# KiCad board video-v10.kicad_pcb (continued)
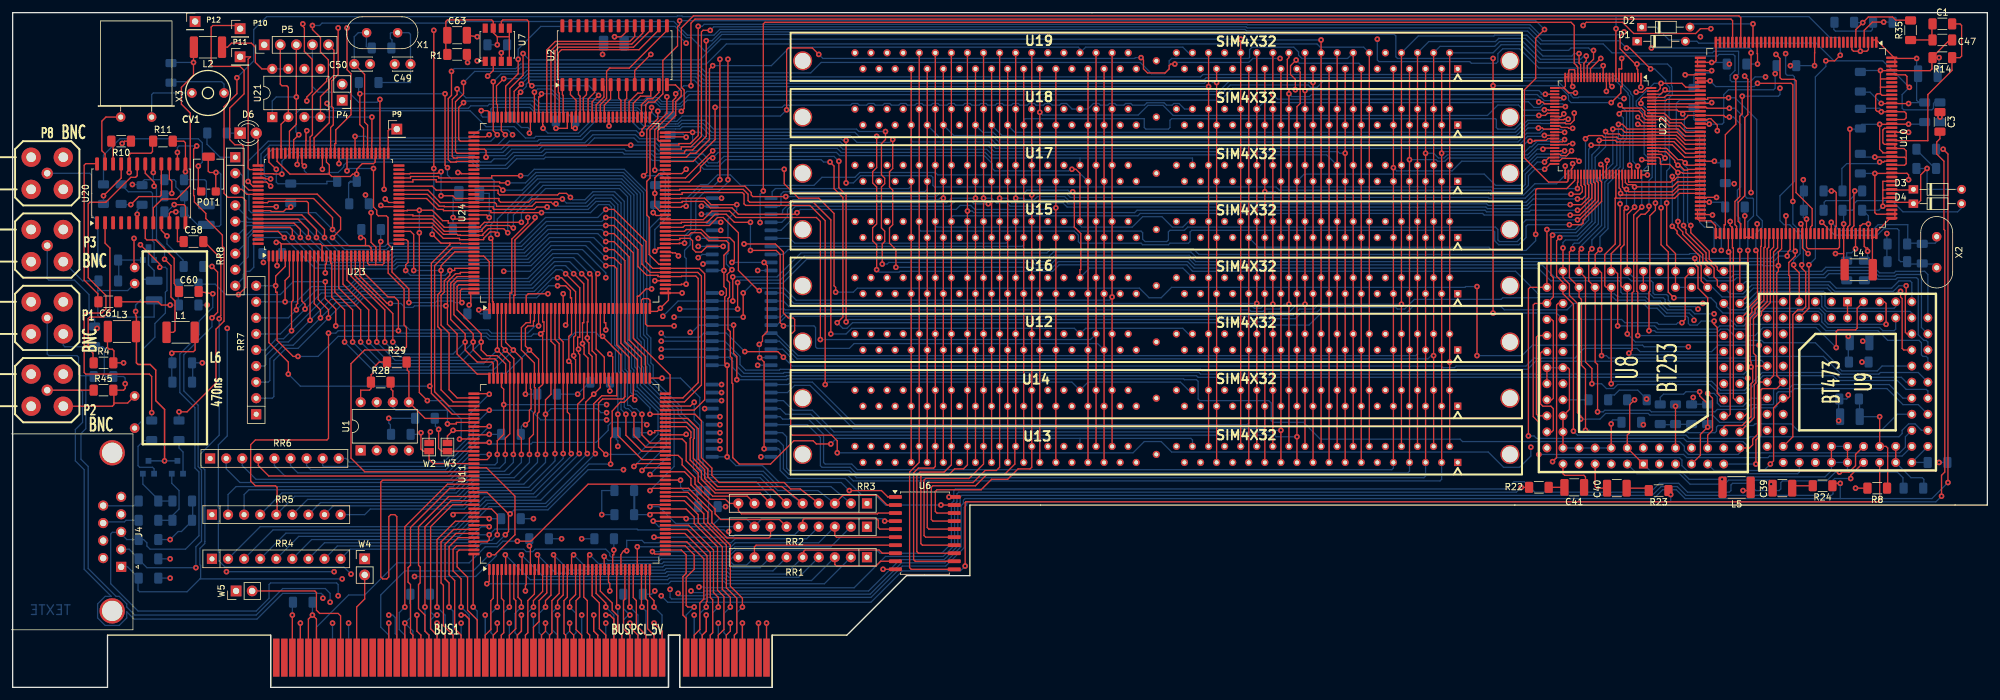
[diagram p0: board, top side]
## Routing (per net, layer and track width the routed paths; a pad name or vN(x,y) marks a point on that pad's centre or on a via; arc(x,y) is an arc through that point) (continued)
  top_copper w0.2: 100.08,2.03 BUS1.B47 100.08,8.25 98.55,9.78 98.55,13.72 98.07,14.2 98.07,18.16
/buspci.sch/P_AD13: length 16.8
  top_copper w0.2: v1(97.54,12.7) 97.41,12.7 97.41,18.16
  Bottom w0.2: v1(97.54,12.7) 98.81,11.43 BUS1.A46 98.81,2.03
/buspci.sch/P_AD14: length 16.6
  top_copper w0.2: 96.75,18.16 96.75,13.94 96.52,13.72 96.52,9.27 97.54,8.25 BUS1.B45 97.54,2.03
/buspci.sch/P_AD15: length 16.6
  top_copper w0.2: v1(95.63,12.7) 95.45,12.7 95.45,18.16
  Bottom w0.2: 96.27,2.03 BUS1.A44 96.27,8.25 95.63,8.89 v1(95.63,12.7)
/buspci.sch/P_AD16: length 17.3
  top_copper w0.2: 83.74,18.16 83.74,15.16 82.3,13.72 v1(82.3,12.7)
  Bottom w0.2: v1(82.3,12.7) 81.41,11.81 81.41,8.64 81.03,8.25 BUS1.A32 81.03,2.03
/buspci.sch/P_AD17: length 16.7
  top_copper w0.2: 81.03,2.03 BUS1.B32 81.03,8.25 81.41,8.64 81.41,13.72 82.45,14.76 82.45,18.16
/buspci.sch/P_AD18: length 16.9
  top_copper w0.2: v1(80.39,12.7) 80.39,13.72 79.86,14.25 79.86,18.16
  Bottom w0.2: v1(80.39,12.7) 79.38,11.68 79.38,8.64 79.76,8.25 BUS1.A31 79.76,2.03
/buspci.sch/P_AD19: length 16.7
  top_copper w0.2: 79.2,18.16 79.2,14.02 79.5,13.72 79.5,9.27 78.49,8.25 BUS1.B30 78.49,2.03
/buspci.sch/P_AD20: length 16.7
  top_copper w0.2: 78.56,18.16 78.56,12.7 v1(78.49,12.7)
  Bottom w0.2: v1(78.49,12.7) 77.6,11.81 77.6,8.64 77.22,8.25 BUS1.A29 77.22,2.03
/buspci.sch/P_AD21: length 16.4
  top_copper w0.2: 77.22,2.03 BUS1.B29 77.22,8.25 77.6,8.64 77.6,13.72 77.24,14.07 77.24,18.16
/buspci.sch/P_AD22: length 16.7
  top_copper w0.2: 76.61,18.16 76.61,12.7 v1(76.58,12.7)
  Bottom w0.2: 75.95,2.03 BUS1.A28 75.95,8.25 75.56,8.64 75.56,11.68 v1(76.58,12.7)
/buspci.sch/P_AD23: length 16.7
  top_copper w0.2: 74.68,2.03 BUS1.B27 74.68,8.25 75.56,9.14 75.56,13.72 75.95,14.1 75.95,18.16
/buspci.sch/P_AD24: length 23.9
  top_copper w0.2: 72.39,22.38 70.13,22.38 69.6,21.84 69.6,18.41 70.87,17.14 v1(70.87,12.7)
  Bottom w0.2: 72.14,2.03 BUS1.A25 72.14,11.43 v1(70.87,12.7)
/buspci.sch/P_AD25: length 25
  top_copper w0.2: 72.39,23.67 70.41,23.67 68.96,22.22 68.96,17.78 69.85,16.89 69.85,9.27 70.87,8.25 BUS1.B24 70.87,2.03
/buspci.sch/P_AD26: length 25.9
  top_copper w0.2: 72.39,24.33 70.05,24.33 68.33,22.61 68.33,17.14 68.96,16.51 v1(68.96,12.7)
  Bottom w0.2: 69.6,2.03 BUS1.A23 69.6,12.06 v1(68.96,12.7)
/buspci.sch/P_AD27: length 27.3
  top_copper w0.2: 69.6,2.03 BUS1.B23 69.6,8.25 68.07,9.78 68.07,16.13 67.69,16.51 67.69,22.99 69.67,24.97 72.39,24.97
/buspci.sch/P_AD28: length 28.4
  top_copper w0.2: v1(67.06,12.7) 67.06,23.37 69.95,26.26 72.39,26.26
  Bottom w0.2: v1(67.06,12.7) 68.33,11.43 BUS1.A22 68.33,2.03
/buspci.sch/P_AD29: length 31.6
  top_copper w0.2: 67.06,2.03 BUS1.B21 67.06,8.25 66.04,9.27 66.04,25.4 69.52,28.88 72.39,28.88
/buspci.sch/P_AD30: length 32.6
  top_copper w0.2: v1(65.15,12.7) 65.15,25.4 69.27,29.51 72.39,29.51
  Bottom w0.2: 65.79,2.03 BUS1.A20 65.79,8.25 65.15,8.89 v1(65.15,12.7)
/buspci.sch/P_AD31: length 34.5
  top_copper w0.2: 72.39,30.18 68.91,30.18 64.13,25.4 64.13,19.3 64.39,19.05 64.39,16.51 64.13,16.26 64.13,12.45 65.15,11.43 65.15,8.89 65.79,8.25 BUS1.B20 65.79,2.03
/buspci.sch/P_C/BE0#: length 25.8
  top_copper w0.2: v1(107.7,12.7) 106.68,12.7 106.43,12.95 106.43,17.4 107.7,18.67 107.7,20.95 106.27,22.38 103.58,22.38
  Bottom w0.2: 106.43,2.03 BUS1.A52 106.43,11.43 v1(107.7,12.7)
/buspci.sch/P_C/BE1#: length 17.5
  top_copper w0.2: 92.86,18.16 92.86,15.21 94.74,13.33 94.74,12.19 95.63,11.3 95.63,8.89 96.27,8.25 BUS1.B44 96.27,2.03
/buspci.sch/P_C/BE2#: length 17
  top_copper w0.2: 82.3,2.03 BUS1.B33 82.3,9.53 83.19,10.41 83.19,13.72 84.4,14.94 84.4,18.16
/buspci.sch/P_C/BE3#: length 23
  top_copper w0.2: 72.39,21.72 70.55,21.72 70.23,21.4 70.23,19.05 71.88,17.4 71.88,12.19 73.41,10.67 BUS1.B26 73.41,2.03
/buspci.sch/P_CLK: length 66.9
  top_copper w0.2: 60.71,2.03 BUS1.B16 60.71,26.99 60.39,27.31 59.75,27.31 59.44,26.99 59.44,17.46 59.12,17.14 58.48,17.14 58.17,17.46 58.17,32.45 58.48,32.77 72.39,32.77
/buspci.sch/P_DEVSEL#: length 16.5
  top_copper w0.2: 87.38,2.03 BUS1.B37 87.38,8.25 87.12,8.51 87.12,13.72 87.66,14.25 87.66,18.16
/buspci.sch/P_FRAME#: length 17.1
  top_copper w0.2: 85.06,18.16 85.06,14.58 84.2,13.72 v1(84.2,12.7)
  Bottom w0.2: v1(84.2,12.7) 83.19,11.68 83.19,8.64 83.57,8.25 BUS1.A34 83.57,2.03
/buspci.sch/P_GNT#: length 37.3
  top_copper w0.2: 72.39,32.13 68.71,32.13 61.98,25.4 v1(61.98,12.7)
  Bottom w0.2: v1(61.98,12.7) 61.09,11.81 61.09,9.14 61.98,8.25 BUS1.A17 61.98,2.03
/buspci.sch/P_IDSEL: length 19.3
  top_copper w0.2: v1(72.77,12.7) 72.77,21.08
  Bottom w0.2: 73.41,2.03 BUS1.A26 73.41,12.06 v1(72.77,12.7)
/buspci.sch/P_INTA#: length 72.4
  top_copper w0.2: v1(79.76,23.11) 81.91,23.11 90.93,32.13 103.58,32.13
  Bottom w0.2: 48.01,2.03 BUS1.A6 48.01,9.53 53.09,14.6 55.63,14.6 60.71,19.69 72.14,19.69 74.68,22.22 76.58,22.22 77.47,23.11 v1(79.76,23.11)
/buspci.sch/P_IRDY#: length 16.8
  top_copper w0.2: 84.84,2.03 BUS1.B35 84.84,8.25 85.22,8.64 85.22,13.72 86.36,14.86 86.36,18.16
/buspci.sch/P_LOCK#: length 16.7
  top_copper w0.2: 89.92,2.03 BUS1.B39 89.92,8.25 89.03,9.14 89.03,13.72 89.61,14.3 89.61,18.16
/buspci.sch/P_PAR: length 17.3
  top_copper w0.2: v1(93.73,12.7) 93.73,13.33 92.2,14.86 92.2,18.16
  Bottom w0.2: v1(93.73,12.7) 95,11.43 BUS1.A43 95,2.03
/buspci.sch/P_PERR#: length 16.5
  top_copper w0.2: 91.19,2.03 BUS1.B40 91.19,8.25 90.81,8.64 90.81,13.72 90.25,14.27 90.25,18.16
/buspci.sch/P_REQ#: length 35.8
  top_copper w0.2: 72.39,31.47 69.06,31.47 62.87,25.27 62.87,19.3 62.48,18.92 62.48,16.64 62.87,16.26 62.87,8.64 63.25,8.25 BUS1.B18 63.25,2.03
/buspci.sch/P_RST#: length 53.2
  top_copper w0.2: 72.39,34.72 74.88,34.72 79.38,30.23 79.38,24.13 76.2,20.95 v1(75.31,20.95)
  Bottom w0.2: 59.44,2.03 BUS1.A15 59.44,8.25 58.17,9.53 58.17,14.6 61.98,18.41 72.77,18.41 v1(75.31,20.95)
/buspci.sch/P_SERR#: length 17
  top_copper w0.2: 91.57,18.16 91.57,14.48 92.71,13.33 92.71,9.27 93.73,8.25 BUS1.B42 93.73,2.03
/buspci.sch/P_STOP#: length 17.1
  top_copper w0.2: 88.95,18.16 88.95,14.66 88.01,13.72 v1(88.01,12.7)
  Bottom w0.2: v1(88.01,12.7) 89.03,11.68 89.03,8.64 88.65,8.25 BUS1.A38 88.65,2.03
/buspci.sch/P_TRDY#: length 17.2
  top_copper w0.2: v1(86.11,12.7) 86.11,13.72 87,14.6 87,18.16
  Bottom w0.2: 86.11,2.03 BUS1.A36 86.11,8.25 85.22,9.14 85.22,11.81 v1(86.11,12.7)
/C_OUT: length 5.7
  Bottom w0.2: 14.35,25.91 14.6,26.16 17.65,26.16 17.91,26.42 19.81,26.42
/CAS0-: length 142.5
  top_copper w0.2: U13.40 U14.40 U12.40 v1(173.74,61.72) U16.40 U15.40 U18.40 U19.40 ; v1(117.98,62.74) 117.86,62.74 114.68,65.91 114.68,71.88 112.27,74.29 111.38,74.29 110.11,73.02 106.2,73.02 105.92,72.75 103.58,72.75
  Bottom w0.2: v1(117.98,62.74) 118.36,63.12 121.92,63.12 123.83,61.21 173.36,61.21 173.74,61.59 v1(173.74,61.72)
/CAS1-: length 152
  top_copper w0.2: 103.58,73.41 105.66,73.41 105.66,73.53 109.73,73.53 111,74.8 112.78,74.8 114.05,73.53 v1(116.59,73.53) ; v1(121.79,57.15) 121.28,57.66 121.28,68.45 120.65,69.09 v1(116.59,69.09) ; U19.41 U18.41 U17.41 U15.41 U16.41 U14.41 172.47,35.56
  Bottom w0.2: v1(121.79,57.15) 126.62,57.15 126.87,56.9 126.87,53.85 127.13,53.59 132.21,53.59 132.97,54.36 171.45,54.36 172.47,53.34 ; v1(116.59,69.09) v1(116.59,73.53)
/CAS2-: length 150.5
  top_copper w0.2: U13.42 U14.42 U12.42 U16.42 U15.42 U18.42 U19.42 ; 103.23,73.95 109.13,73.95 110.49,75.31 113.28,75.31 114.3,74.29 127,74.29 127.64,73.66 v1(127.64,54.99)
  Bottom w0.2: U12.42 170.31,54.99 v1(127.64,54.99)
/CAS3-: length 133.8
  top_copper w0.2: U19.43 U18.43 U17.43 U15.43 U16.43 U14.43 169.93,35.56 ; 103.23,75.9 105.63,75.9 105.8,76.07 v1(106.43,76.07)
  Bottom w0.2: U17.43 168.91,81.03 146.18,81.03 145.8,81.41 133.86,81.41 133.1,80.64 127.89,80.64 126.62,79.38 115.06,79.38 113.41,81.03 111.38,81.03 109.86,79.5 108.71,79.5 106.43,77.22 v1(106.43,76.07)
/CLAMP: length 255.8
  top_copper w0.2: v1(233.93,59.18) v1(233.93,95.12) v1(233.93,99.44) ; v1(263.78,57.66) 264.29,58.17 264.29,64.77 U8.37 ; 254.33,96.52 254.33,95 254.13,95 254.13,93.98 v1(252.6,92.46) ; v1(109.6,102.23) 109.6,87.12 107.44,84.96 106.43,84.96 106.17,84.71 106.17,84.45 103.58,84.45
  Bottom w0.2: v1(109.6,102.23) 110.5,102.23 111.9,103.63 194.58,103.63 194.96,103.25 218.31,103.25 218.57,103 218.57,99.69 218.82,99.44 v1(233.93,99.44) ; v1(263.78,57.66) 263.14,57.66 262.89,57.4 260.1,57.4 259.84,57.66 254.76,57.66 254.25,58.17 U8.59 243.97,59.18 v1(233.93,59.18) ; v1(252.6,92.46) 246.25,92.46 245.85,92.85 245.85,93.58 244.31,95.12 v1(233.93,95.12)
/CLKCAD: length 222.8
  top_copper w0.2: v1(254.63,103.63) 254,103 254,100.97 256.41,98.55 v1(256.67,98.55) 256.67,97.79 256.79,97.66 256.79,96.52 256.82,96.52 ; 103.58,85.75 105.28,85.75 105.28,85.98 107.06,85.98 108.33,87.25 v1(108.33,104.52) ; U8.40 U8.39 262.76,68.58 261.37,69.98 v1(261.37,76.58)
  Bottom w0.2: v1(108.33,104.52) 108.96,104.52 109.27,104.83 195.08,104.83 195.13,104.77 239.78,104.77 241.36,103.19 254.19,103.19 v1(254.63,103.63) ; U8.40 U8.38 ; v1(261.37,76.58) 261.37,81.66 261.86,82.15 261.86,84.05 261.75,84.16 261.75,93.22 262.26,93.73 262.26,95.01 262.13,95.14 262.13,97.92 261.49,98.55 v1(256.67,98.55)
/CLKCDA: length 236.7
  top_copper w0.2: v1(255.02,101.09) 255.52,101.09 v1(258.83,97.79) ; v1(261.11,83.69) 260.53,84.28 259.08,84.28 ; v1(262.51,61.59) 261.62,62.48 261.62,68.83 260.48,69.98 v1(260.48,75.82) ; v1(110.24,103.89) 109.09,103.89 108.84,103.63 108.84,87.12 107.19,85.47 105.66,85.47 105.66,85.12 103.58,85.12
  Bottom w0.2: v1(110.24,103.89) 110.78,104.43 194.91,104.43 195.08,104.27 239.65,104.27 241.68,102.23 253.87,102.23 v1(255.02,101.09) ; v1(260.48,75.82) 260.48,83.06 v1(261.11,83.69) 261.11,93.34 261.86,94.09 261.86,94.85 261.22,95.48 261.22,96.02 259.45,97.79 v1(258.83,97.79) ; v1(262.51,61.59) 268.35,61.59 269.24,60.71 269.24,60.2 270.26,59.18 273.81,59.18 275.59,60.96 U9.9
/CSYNC-OUT: length 421.7
  top_copper w0.2: v1(288.8,99.95) 287.91,99.06 v1(286.51,99.06) ; v1(283.85,66.8) 283.85,59.94 U9.8 ; v1(35.69,62.1) 36.83,63.25 36.83,76.96 36.32,77.47 34.04,77.47 33.4,78.1 33.4,91.82 35.43,93.85 v1(35.43,96.39) ; v1(253.37,104.14) 253.34,104.14 253.34,96.52 ; v1(51.05,57.15) 51.05,59.82 49.4,61.47 v1(49.4,64.13) ; 83.11,59.44 v1(83.11,57.15)
  Bottom w0.2: v1(253.37,104.14) 253.37,106.04 ; 253.37,106.04 283.85,106.04 287.15,102.74 288.54,102.74 288.8,102.49 v1(288.8,99.95) ; 253.37,106.04 105.86,106.04 105.75,106.15 105.04,106.15 104.94,106.04 40.13,106.04 38.1,104.01 38.1,99.06 v1(35.43,96.39) ; v1(83.11,57.15) 82.55,57.15 81.41,56.01 75.69,56.01 75.18,56.51 62.74,56.51 62.1,57.15 v1(51.05,57.15) ; v1(283.85,66.8) 284.86,67.82 284.86,96.52 286.51,98.17 v1(286.51,99.06) ; 29.46,63.75 32,63.75 33.65,62.1 v1(35.69,62.1) 42.29,62.1 44.32,64.13 v1(49.4,64.13)
/CSYNCIN-: length 201.3
  top_copper w0.2: v1(112.27,69.72) 109.73,69.72 108.84,68.83 107.95,68.83 107.44,69.34 107.44,70.61 107.06,70.99 105.41,70.99 105.41,70.79 103.58,70.79 ; v1(115.57,70.1) 120.52,70.1 121.79,68.83 121.79,59.18 122.56,58.42 123.32,58.42 123.57,58.17 123.57,56.39 122.94,55.75 122.94,40.13 123.19,39.88 129.41,39.88 130.3,38.99 v1(130.3,37.08)
  In2.Cu w0.2: v1(112.27,69.72) 112.65,70.1 v1(115.57,70.1) ; v1(239.9,37.97) 240.41,37.97 241.3,38.86 264.29,38.86 U8.8
  Bottom w0.2: v1(239.9,37.97) 239.9,36.58 238.12,34.8 235.58,34.8 233.17,37.21 183.13,37.21 181.48,38.86 178.82,38.86 177.04,37.08 v1(130.3,37.08)
/DQ0: length 312.2
  top_copper w0.2: v1(49.91,58.42) 49.91,59.69 48.29,61.32 48.29,68.33 ; 88.32,49.35 88.32,51.18 v1(87.88,51.56) 87.88,55.5 88.32,55.88 88.32,61.59 88.14,61.59 88.14,62.74 87.38,63.5 v1(86.11,63.5) ; 276.33,71.17 276.33,69.72 276.23,69.72 276.23,61.34 274.83,59.94 274.83,59.31 273.94,58.42 273.94,50.16 274.19,49.91 v1(274.19,48.89) 274.19,43.43 273.69,42.93 U8.16
  In2.Cu w0.2: U9.14 277.24,52.96 274.32,52.96 273.94,52.58 273.94,50.16 274.19,49.91 v1(274.19,48.89) ; v1(102.49,52.2) 101.47,51.18 89.28,51.18 88.9,51.56 v1(87.88,51.56)
  Bottom w0.2: v1(274.19,48.89) 273.56,48.89 273.43,49.02 187.33,49.02 187.07,49.28 122.3,49.28 122.17,49.15 115.19,49.15 113.79,50.55 113.79,51.56 113.16,52.2 v1(102.49,52.2) ; v1(86.11,63.5) 84.71,63.5 82.8,61.59 55.37,61.59 54.1,60.32 51.82,60.32 v1(49.91,58.42) 45.09,53.59 43.18,53.59 41.27,51.69 41.27,45.97 41.02,45.72 RR7.2
/DQ1: length 316.5
  top_copper w0.2: U8.15 270.38,41.15 270.64,41.4 273.3,41.4 274.7,42.8 274.7,48.01 274.95,48.26 274.95,50.67 v1(274.7,50.67) 274.7,51.43 274.57,51.56 274.57,58.42 275.34,59.18 275.34,59.82 276.73,61.21 276.73,69.47 276.86,69.6 276.91,69.6 276.91,71.12 276.96,71.17 ; 88.95,49.35 88.95,51.82 88.65,52.07 v1(88.65,52.45) 88.65,55.37 88.95,55.63 88.95,62.56 86.74,64.77 v1(86.11,64.77) ; 47.65,68.33 47.65,60.68 48.64,59.69 v1(48.64,58.42)
  In2.Cu w0.2: v1(102.49,53.47) 101.85,53.47 100.08,51.69 89.92,51.69 89.15,52.45 v1(88.65,52.45) ; v1(274.7,50.67) 275.97,50.67 276.23,50.93 276.23,51.31 276.73,51.82 279.02,51.82 279.78,52.58 U9.15
  Bottom w0.2: v1(102.49,53.47) 113.03,53.47 114.43,52.07 114.43,50.8 115.57,49.66 121.79,49.66 121.92,49.78 187.45,49.78 187.71,49.53 273.56,49.53 v1(274.7,50.67) ; RR7.3 40.39,48.26 40.64,48.51 40.64,51.94 42.8,54.1 44.32,54.1 v1(48.64,58.42) 51.05,60.83 53.98,60.83 55.24,62.1 82.68,62.1 85.34,64.77 v1(86.11,64.77)
/DQ2: length 311.1
  top_copper w0.2: 89.61,49.35 89.61,52.58 89.41,52.83 v1(89.41,53.47) 89.28,53.59 89.28,55.37 89.61,55.37 89.61,63.17 v1(87.38,65.4) ; U8.14 275.21,42.67 275.21,47.88 275.46,48.13 275.46,50.8 ; 277.62,71.17 277.5,71.12 277.5,69.6 277.24,69.34 277.24,60.96 275.84,59.56 275.84,59.05 275.08,58.29 275.08,52.83 275.46,52.45 275.46,50.8 ; 46.99,68.33 v1(46.99,58.04) ; U9.16 275.46,50.8
  In2.Cu w0.2: v1(89.41,53.47) 100.08,53.47 101.35,54.74 v1(102.49,54.74)
  Bottom w0.2: RR7.4 39.75,50.8 40.01,51.05 40.01,52.45 42.16,54.61 43.56,54.61 v1(46.99,58.04) 50.29,61.34 53.85,61.34 55.12,62.61 82.42,62.61 85.85,66.04 86.74,66.04 v1(87.38,65.4) ; U9.16 276.35,51.69 274.19,51.69 274.07,51.56 240.67,51.56 239.39,50.29 228.35,50.29 228.09,50.04 187.96,50.04 187.71,50.29 121.28,50.29 121.16,50.16 115.82,50.16 114.94,51.05 114.94,52.32 112.52,54.74 v1(102.49,54.74)
/DQ3: length 331.3
  top_copper w0.2: 278.26,71.17 278.26,69.6 277.75,69.09 277.75,60.83 276.35,59.44 276.35,58.93 275.97,58.55 v1(275.97,54.1) ; 44.4,68.33 44.32,68.33 44.32,61.21 44.07,60.96 v1(44.07,56.39) ; 90.91,49.35 90.91,52.07 90.3,52.68 90.3,53.8 90.04,54.05 v1(90.04,54.36) 90.04,57.66 90.25,57.66 90.25,63.8 v1(88.65,65.4) ; v1(121.79,52.2) 120.9,53.09 v1(115.7,53.09)
  In2.Cu w0.2: v1(102.49,56.01) 101.09,56.01 99.19,54.1 90.3,54.1 v1(90.04,54.36) ; v1(275.97,54.1) 276.48,54.1 276.73,54.36 280.67,54.36 280.92,54.1 280.92,51.05 280.67,50.8 U9.17 278.76,49.78 278.76,45.21 279.27,44.7 280.54,44.7 280.8,44.45 280.8,37.08 280.54,36.83 271.4,36.83 U8.13
  Bottom w0.2: v1(275.97,54.1) 269.49,54.1 268.48,53.09 257.18,53.09 256.67,53.59 248.29,53.59 247.9,53.21 246.89,52.07 240.41,52.07 239.14,50.8 228.09,50.8 227.84,50.55 226.06,50.55 225.81,50.8 123.19,50.8 v1(121.79,52.2) ; v1(88.65,65.4) 87.38,66.67 85.72,66.67 82.17,63.12 54.86,63.12 53.59,61.85 49.53,61.85 v1(44.07,56.39) 42.8,55.12 41.66,55.12 40.01,53.34 RR7.5 ; v1(102.49,56.01) 103.12,55.37 108.59,55.37 109.22,56.01 112.78,56.01 v1(115.7,53.09)
/DQ4: length 321.8
  top_copper w0.2: v1(113.92,57.28) 113.92,52.83 114.43,52.32 v1(114.43,48.64) ; 278.92,71.17 278.89,70.61 278.89,69.47 278.26,68.83 278.26,49.28 U9.18 276.23,48.26 275.72,47.75 275.72,40 274.95,39.24 274.95,38.35 274.45,37.85 U8.12 ; 45.69,68.33 45.69,61.09 46.2,60.58 v1(46.2,59.82) ; v1(89.92,65.4) 90.91,64.41 90.91,57.78 90.81,57.78 v1(90.81,55.24) 90.81,54.74 91.06,54.48 91.06,52.83 91.57,52.32 91.57,49.35
  In2.Cu w0.2: v1(90.81,55.24) 91.44,55.24 92.08,54.61 98.55,54.61 100.84,56.9 103.25,56.9 104.01,56.13 v1(107.06,56.13)
  Bottom w0.2: v1(113.92,57.28) 108.46,57.28 107.31,56.13 v1(107.06,56.13) ; v1(114.43,48.64) 122.3,48.64 122.43,48.77 185.04,48.77 185.17,48.64 187.07,48.64 187.33,48.39 187.33,45.59 187.58,45.34 198.5,45.34 198.88,44.96 198.88,42.16 199.14,41.91 203.96,41.91 206.63,39.24 228.73,39.24 229.11,38.86 263.4,38.86 264.16,38.1 264.16,37.46 264.8,36.83 272.67,36.83 272.92,37.08 U8.12 ; 46.23,59.82 48.77,62.36 53.47,62.36 54.74,63.63 81.91,63.63 85.6,67.31 88.01,67.31 v1(89.92,65.4) ; 46.23,59.82 42.29,55.88 RR7.6 ; 46.23,59.82 v1(46.2,59.82)
/DQ5: length 328.2
  top_copper w0.2: v1(91.19,65.4) 91.57,65.02 91.57,53.21 92.2,52.58 92.2,49.35 ; 279.58,71.17 279.53,71.12 279.53,69.34 279.02,68.83 v1(279.02,66.67) 279.02,65.79 278.76,65.53 278.76,49.28 U9.19 278.76,47.24 276.48,47.24 276.23,46.99 276.23,39.88 275.46,39.12 v1(275.46,35.31) ; v1(44.83,59.69) 44.83,60.5 45.03,60.71 45.03,68.33 ; v1(115.44,58.55) v1(115.44,62.36)
  In2.Cu w0.2: v1(91.19,65.4) 91.19,61.98 91.82,61.34 102.62,61.34 104.52,59.44 v1(104.52,58.55)
  Bottom w0.2: v1(104.52,58.55) v1(115.44,58.55) ; RR7.7 43.56,58.42 v1(44.83,59.69) 48.01,62.86 53.21,62.86 54.48,64.13 81.66,64.13 85.47,67.94 88.65,67.94 v1(91.19,65.4) ; v1(279.02,66.67) 276.61,66.67 276.48,66.8 258.57,66.8 258.06,67.31 186.94,67.31 185.93,68.33 164.72,68.33 163.7,67.31 161.93,67.31 161.54,67.69 125.48,67.69 121.67,63.88 116.97,63.88 v1(115.44,62.36) ; U8.11 v1(275.46,35.31)
/DQ6: length 328
  top_copper w0.2: 280.87,71.17 280.87,69.21 280.54,68.88 280.54,68.33 v1(280.42,68.2) ; v1(92.46,65.4) 92.2,65.4 92.2,53.49 93.5,52.2 93.5,49.35 ; v1(43.05,60.96) 43.05,64.34 43.74,65.02 43.74,68.33 ; v1(114.55,59.82) v1(114.55,64.01) ; U8.10 267.84,39.88 268.61,40.64 268.61,45.72 v1(267.84,46.48) 267.84,61.59 266.32,63.12 266.32,66.42 265.81,66.93 v1(265.81,67.82)
  In2.Cu w0.2: v1(105.41,59.82) 103,62.23 92.84,62.23 92.46,62.61 v1(92.46,65.4)
  Bottom w0.2: RR7.8 44.83,60.96 47.24,63.37 53.09,63.37 54.36,64.64 81.41,64.64 85.34,68.58 89.28,68.58 v1(92.46,65.4) ; v1(114.55,59.82) v1(105.41,59.82) ; v1(280.42,68.2) 279.15,68.2 278.26,67.31 266.32,67.31 v1(265.81,67.82) 187.2,67.82 186.18,68.83 164.47,68.83 163.83,68.2 125.09,68.2 121.28,64.39 114.94,64.39 v1(114.55,64.01) ; v1(267.84,46.48) 268.86,46.48 269.37,45.97 269.37,44.96 269.88,44.45 273.43,44.45 274.7,45.72 U9.20
/DQ7: length 332.5
  top_copper w0.2: 92.86,59.44 92.86,55.83 93.22,55.47 ; 93.22,55.47 96.11,52.58 96.11,49.35 ; 93.22,55.47 v1(93.22,55.5) ; v1(113.79,61.09) v1(113.79,64.9) ; v1(277.75,35.31) 278.26,35.81 278.26,44.2 U9.21 280.54,45.72 280.8,45.97 280.8,65.02 280.67,65.15 280.67,67.18 281.69,68.2 v1(281.69,68.96) 281.43,68.96 281.43,71.12 281.51,71.17 ; 43.08,68.33 43.08,66.55 41.55,65.02 v1(41.55,63.5) 41.55,62.48 41.78,62.48 41.78,54.86 44.32,52.32 v1(45.09,52.32)
  In2.Cu w0.2: v1(102.74,58.67) 93.34,58.67 92.96,58.29 92.96,55.5 v1(93.22,55.5)
  Bottom w0.2: RR7.9 v1(41.55,63.5) ; v1(102.74,58.67) 105.16,61.09 v1(113.79,61.09) ; v1(281.69,68.96) 279.02,68.96 277.88,67.82 267.08,67.82 266.32,68.58 265.05,68.58 264.92,68.45 187.45,68.45 186.56,69.34 164.08,69.34 163.45,68.71 124.59,68.71 120.78,64.9 v1(113.79,64.9) ; v1(45.09,52.32) 48.26,52.32 51.43,55.5 74.8,55.5 75.31,54.99 87.76,54.99 88.9,56.13 92.2,56.13 92.71,55.5 v1(93.22,55.5) ; U8.9 268.86,34.29 276.73,34.29 v1(277.75,35.31)
/DQ8: length 110.4
  top_copper w0.2: v1(42.93,71.12) 41.94,72.11 38.86,72.11 ; 97.41,49.35 97.41,52.2 95.45,54.15 95.45,66.22 95,66.67 v1(93.73,66.67)
  In2.Cu w0.2: v1(93.73,66.67) 96.52,66.67 96.77,66.93 v1(109.09,66.93)
  Bottom w0.2: v1(109.09,66.93) 109.35,67.18 110.36,67.18 ; RR8.9 36.45,64.77 36.45,65.28 36.96,65.79 37.46,65.79 38.1,66.42 38.1,70.87 38.35,71.12 v1(42.93,71.12) 47.75,66.29 50.16,66.29 50.29,66.17 60.45,66.17 60.96,66.67 81.91,66.67 85.09,69.85 90.55,69.85 v1(93.73,66.67)
/DQ9: length 113.1
  top_copper w0.2: v1(93.73,67.94) 95,67.94 96.11,66.83 96.11,54.41 98.7,51.82 98.7,49.35 ; v1(44.2,71.12) 44.2,72.39 43.84,72.75 38.86,72.75
  In2.Cu w0.2: v1(93.73,67.94) 96.27,67.94 96.77,67.44 107.82,67.44 v1(108.33,67.94)
  Bottom w0.2: 110.36,68.45 108.97,68.45 108.46,67.94 v1(108.33,67.94) ; v1(93.73,67.94) 91.19,70.48 84.96,70.48 81.66,67.18 60.71,67.18 60.2,66.67 50.42,66.67 50.29,66.8 48.51,66.8 v1(44.2,71.12) 43.31,72.01 38.1,72.01 37.21,71.12 37.21,68.07 RR8.8
/DQ10: length 114.2
  top_copper w0.2: v1(45.47,71.12) 45.47,72.39 44.45,73.41 38.86,73.41 ; v1(93.73,69.21) 95,69.21 96.75,67.46 96.75,54.69 99.36,52.07 99.36,49.35
  In2.Cu w0.2: v1(93.73,69.21) 95.89,69.21 96.39,69.72 103.38,69.72 104.14,68.96 106.3,68.96 107.06,69.72 v1(108.33,69.72)
  Bottom w0.2: RR8.7 36.7,70.1 36.7,71.25 37.97,72.52 44.07,72.52 v1(45.47,71.12) 49.28,67.31 50.42,67.31 50.55,67.18 60.07,67.18 60.58,67.69 81.41,67.69 84.84,71.12 91.82,71.12 v1(93.73,69.21) ; 110.36,69.72 v1(108.33,69.72)
/DQ11: length 114.9
  top_copper w0.2: v1(46.74,71.12) 46.74,72.39 45.09,74.04 38.86,74.04 ; v1(93.73,70.48) 95,70.48 97.41,68.07 97.41,54.91 100,52.32 100,49.35
  In2.Cu w0.2: v1(93.73,70.48) 95.76,70.48 96.27,70.99 v1(108.33,70.99)
  Bottom w0.2: v1(93.73,70.48) 92.46,71.75 84.71,71.75 81.15,68.2 60.32,68.2 59.82,67.69 50.67,67.69 50.55,67.82 50.04,67.82 v1(46.74,71.12) 44.83,73.02 37.08,73.02 RR8.6 ; 110.36,70.99 v1(108.33,70.99)
/DQ12: length 124.7
  top_copper w0.2: v1(48.01,71.12) 48.01,72.39 45.69,74.7 38.86,74.7 ; v1(93.73,71.75) 95,71.75 98.07,68.68 98.07,55.22 103.89,49.4 103.89,46.43 103.58,46.43
  In2.Cu w0.2: v1(111.89,72.26) 96.27,72.26 95.76,71.75 v1(93.73,71.75)
  Bottom w0.2: RR8.5 36.83,73.66 36.96,73.53 45.59,73.53 v1(48.01,71.12) 50.93,68.2 59.56,68.2 60.07,68.71 80.9,68.71 84.58,72.39 93.09,72.39 v1(93.73,71.75) ; v1(111.89,72.26) 110.36,72.26
/DQ13: length 139.9
  top_copper w0.2: v1(49.28,71.12) 49.28,72.39 46.74,74.93 46.74,76.58 46.48,76.83 40.46,76.83 40.26,76.63 38.99,76.63 38.86,76.66 ; v1(93.73,73.02) 95,73.02 98.81,69.21 98.81,66.55 100.2,65.15 101.98,65.15 101.98,64.95 105.66,64.95 105.74,65.02 107.95,65.02 108.33,64.64 108.33,48.18 105.92,45.77 103.58,45.77
  In2.Cu w0.2: v1(93.73,73.02) 108.33,73.02 108.84,73.53 v1(111.89,73.53)
  Bottom w0.2: RR8.4 37.34,74.04 46.35,74.04 v1(49.28,71.12) 51.69,68.71 59.31,68.71 59.82,69.21 80.65,69.21 84.46,73.02 v1(93.73,73.02) ; 110.36,73.53 v1(111.89,73.53)
/DQ14: length 129.9
  top_copper w0.2: RR8.3 36.2,78.74 36.98,77.95 38.76,77.95 ; v1(93.73,74.29) 95,74.29 99.44,69.85 99.44,66.93 100.76,65.61 108.25,65.61 108.84,65.02 108.84,47.8 106.17,45.14 103.58,45.14 ; 38.86,77.95 39.62,77.98 48.13,77.98 51.82,74.29 51.82,72.39 v1(50.55,71.12)
  In2.Cu w0.2: v1(108.84,74.8) 108.33,74.8 107.06,73.53 95.38,73.53 94.62,74.29 v1(93.73,74.29)
  Bottom w0.2: 110.36,74.8 v1(108.84,74.8) ; v1(93.73,74.29) 93.09,73.66 84.33,73.66 80.39,69.72 59.56,69.72 59.05,69.21 52.45,69.21 v1(50.55,71.12)
/DQ15: length 149.4
  top_copper w0.2: v1(93.73,75.56) 95,75.56 100.08,70.48 100.08,67.31 101.14,66.24 108.51,66.24 109.35,65.4 109.35,45.47 107.7,43.84 103.58,43.84 ; v1(50.55,72.39) 50.55,74.29 47.55,77.29 38.86,77.29
  In2.Cu w0.2: v1(93.73,75.56) 94.23,75.56 95.76,74.04 106.3,74.04 108.33,76.07 v1(108.84,76.07)
  Bottom w0.2: 110.36,76.07 v1(108.84,76.07) ; RR8.2 35.94,81.28 36.32,80.9 36.32,78.87 37.34,77.85 37.34,75.44 37.72,75.06 47.88,75.06 v1(50.55,72.39) 53.21,69.72 58.8,69.72 59.31,70.23 80.14,70.23 84.2,74.29 92.46,74.29 v1(93.73,75.56)
/DQ16: length 87.6
  top_copper w0.2: v1(75.31,24.13) 75.31,23.33 74.99,23.01 72.39,23.01
  In2.Cu w0.2: v1(113.16,24.64) 113.16,26.16 113.41,26.42 113.41,29.46 111.76,31.11 v1(111.76,37.72)
  Bottom w0.2: v1(113.16,24.64) 112.65,24.64 112.4,24.89 98.81,24.89 98.68,25.02 76.2,25.02 v1(75.31,24.13) 73.66,24.13 72.39,22.86 49.28,22.86 RR4.7 ; 110.36,37.72 v1(111.76,37.72)
/DQ17: length 78.5
  top_copper w0.2: 78.36,27.43 78.36,24.64 v1(77.85,24.13) ; 78.36,27.43 74.96,30.84 72.39,30.84 ; 78.36,27.43 v1(78.61,27.43)
  In2.Cu w0.2: v1(96.52,34.42) 96.52,35.18 99.29,37.95 108.79,37.95 109.83,38.99 v1(111.76,38.99)
  Bottom w0.2: RR4.9 53.34,21.84 73.15,21.84 74.04,22.73 76.45,22.73 v1(77.85,24.13) ; v1(78.61,27.43) 79.25,28.07 84.58,28.07 90.93,34.42 v1(96.52,34.42) ; 110.36,38.99 v1(111.76,38.99)
/DQ18: length 78.5
  top_copper w0.2: v1(75.31,38.73) 75.31,38.63 72.39,38.63
  In2.Cu w0.2: v1(100.2,41.53) 106.43,41.53 107.7,40.26 v1(111.76,40.26)
  Bottom w0.2: 110.36,40.26 v1(111.76,40.26) ; RR6.6 43.91,35.06 45.06,33.91 68.71,33.91 73.53,38.73 v1(75.31,38.73) 75.56,38.48 81.91,38.48 82.17,38.73 92.2,38.73 94.11,40.64 94.11,41.4 94.62,41.91 99.82,41.91 v1(100.2,41.53)
/DQ19: length 74
  top_copper w0.2: 72.39,43.84 75.31,43.84 v1(75.31,43.81)
  In2.Cu w0.2: v1(111.76,41.53) 107.19,41.53 106.68,42.04 100.97,42.04 100.71,42.29 v1(93.85,42.29)
  Bottom w0.2: RR6.8 48.99,35.06 49.12,34.92 68.2,34.92 72.77,39.5 72.77,41.27 v1(75.31,43.81) 81.91,43.81 83.44,42.29 v1(93.85,42.29) ; 110.36,41.53 v1(111.76,41.53)
/DQ20: length 95.7
  top_copper w0.2: 77.24,49.35 77.24,47.5 77.6,47.14 v1(77.6,44.7) 77.6,40 76.58,38.99 v1(76.58,36.83)
  In2.Cu w0.2: v1(111.76,42.8) 111.76,43.69 109.47,45.97 100.46,45.97 99.19,44.7 v1(93.85,44.7)
  Bottom w0.2: RR6.3 36.29,35.06 38.46,32.89 69.22,32.89 71.5,35.18 76.2,35.18 76.58,35.56 v1(76.58,36.83) ; v1(93.85,44.7) v1(77.6,44.7) ; 110.36,42.8 v1(111.76,42.8)
